# Altium PCB Copy of BOTTOM-COMPARATOR.PcbDoc (continued)
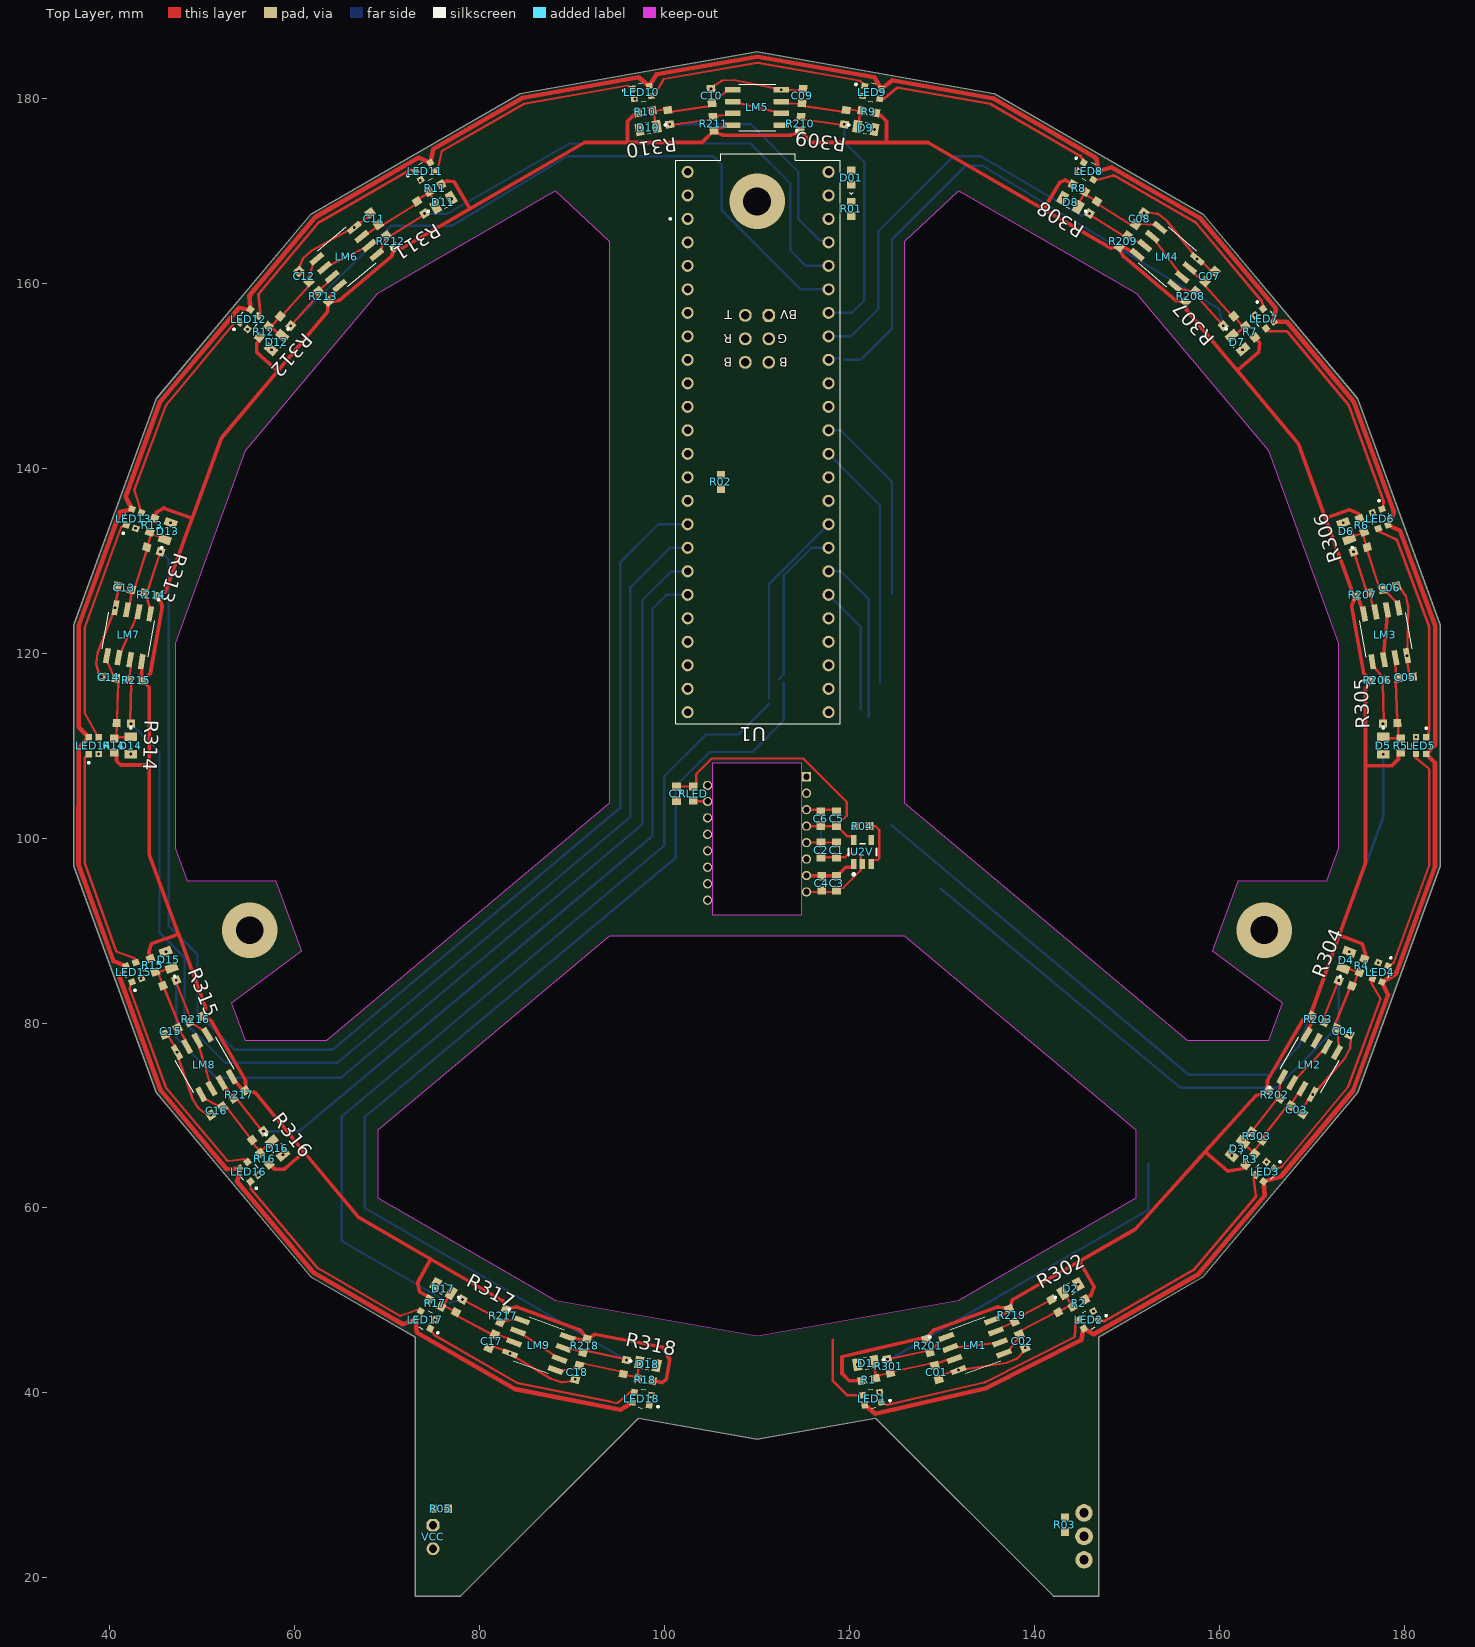
[diagram p0: Top Layer view]
## Nets (pads, with @x,y where several pads share a name; then routed paths per layer and width w, separated by ;. In a path a pad name is that pad's centre, name@x,y a point inside that pad or via, vN(x,y) a via of type N, cw(c..) or ccw(c..) an arc to the next point about the centre after c; other vN are vias at no path point) (continued)
+3V-BOT: D01.A J1.1 U1.VIN
+3VB: J1.3 J1.4 LED1.4 LED2.4 LED3.4 LED4.4 LED5.4 LED6.4 LED7.4 LED8.4 LED9.4 LED10.4 LED11.4 LED12.4 LED13.4 LED14.4 LED15.4 LED16.4 LED17.4 LED18.4 R05.1 | length 455.8
  Top Layer w0.5: 36.651,109.7 37.647,110.814 LED14.4 ; 36.651,109.71 36.643,97.188 36.643,97.187 ccw(c37.143,97.188) 36.674,97.017 40.421,86.726 ; 36.652,112 37.647,111.014 LED14.4 ; 36.652,112.01 36.659,122.89 cw(c37.159,122.889) 36.689,123.06 41.139,135.286 42.286,135.509 LED13.4 42.353,135.697 41.735,136.924 ; LED14.4@37.647,110.9 LED14.4 ; 40.427,86.71 41.666,86.209 LED15.4 41.734,86.021 41.083,84.909 45.492,72.802 ; 41.735,136.925 45.436,147.093 cw(c45.906,146.922) 45.523,147.243 53.986,157.312 55.093,157.13 LED12.4 55.221,157.284 55.131,158.674 62.183,167.063 cw(c62.565,166.741) 62.316,167.174 73.427,173.571 74.531,173.064 LED11.4 74.704,173.164 75.01,174.483 84.539,179.968 cw(c84.788,179.535) 84.7,180.027 ; 45.493,72.801 ccw(c45.962,72.973) 45.58,72.65 52.675,64.194 ; 52.683,64.185 53.924,64.27 LED16.4 54.053,64.117 53.782,62.876 61.984,53.101 ; 61.984,53.101 ccw(c62.367,53.422) 62.116,52.99 71.715,47.435 ; 71.719,47.432 72.946,47.849 LED17.4 73.119,47.749 73.233,46.556 83.814,40.433 ; 83.818,40.431 95.214,38.17 96.437,38.925 LED18.4 ; 84.701,180.027 97.212,182.233 98.239,181.392 LED10.4 98.436,181.427 99.123,182.57 110.061,184.472 122.708,182.245 123.366,181.109 LED9.4 123.563,181.075 124.602,181.911 135.476,179.996 146.489,173.631 cw(c146.238,173.198) 146.733,173.27 146.88,172.252 LED8.4 148.37,172.51 157.889,167.051 165.972,157.418 cw(c165.589,157.096) 166.081,157.005 166.08,157.004 165.883,155.958 LED7.4 166.011,155.805 167.072,155.82 cw(c167.079,155.32) 167.462,155.642 167.581,155.5 174.534,147.173 178.819,135.402 cw(c178.349,135.232) 178.793,135.003 178.265,133.978 LED6.4 179.514,133.237 183.336,122.932 183.336,110.071 LED5.4 183.3,108.135 183.3,96.91 179.138,85.475 cw(c178.668,85.646) 178.925,85.217 177.707,84.489 LED4.4 178.226,83.034 174.439,72.672 166.77,63.533 cw(c166.387,63.855) 166.536,63.377 166.535,63.377 164.901,62.87 LED3.4 164.888,61.335 157.703,52.837 146.415,46.347 145.468,46.936 LED2.4 145.294,46.836 145.042,45.715 134.787,40.525 122.788,37.764 121.761,38.608 LED1.4
+V-REF-1: LM1.2 LM1.6 U1.0 | length 6.1
  Top Layer w0.254: LM1.2 131.631,44.946 135.55,45.389 LM1.6 LM1.6@136.88,45.874
+V-REF-2: LM2.2 LM2.6 U1.1 | length 5.4
  Top Layer w0.254: LM2.2 168.386,74.07 171.103,76.929 LM2.6
+V-REF-3: LM3.2 LM3.6 U1.2 | length 5.4
  Top Layer w0.4: LM3.2 177.762,119.921 178.125,124.026 LM3.6
+V-REF-4: LM4.2 LM4.6 U1.3 | length 5.4
  Top Layer w0.254: LM4.6 153.179,164.432 155.523,161.26 LM4.2
+V-REF-5: LM5.2 LM5.6 U1.4 | length 5.4
  Top Layer w0.254: LM5.6 108.089,179.452 111.923,178.528 LM5.2
+V-REF-6: LM6.2 LM6.6 U1.5 | length 5.4
  Top Layer w0.254: LM6.6 63.893,161.976 67.424,163.732 LM6.2
+V-REF-7: LM7.2 LM7.6 U1.6 | length 5.4
  Top Layer w0.254: LM7.6 41.271,120.178 42.846,123.794 LM7.2
+V-REF-8: LM8.2 LM8.6 | length 6.9
  Top Layer w0.254: LM8.2@48.983,78.627 LM8.2 49.691,77.401 50.808,73.619 LM8.6 LM8.6@51.516,72.393
+V-REF-9: LM9.2 LM9.6 | length 6.1
  Top Layer w0.254: LM9.2 84.755,46.262 88.041,44.082 LM9.6 LM9.6@89.289,43.369
CS: M1.CS U1.10
EN-2V: R04.1
EN-LSR: R05.2 VCC.VCC
GND: C1.1 C01.1 C2.1 C02.2 C3.1 C03.1 C4.1 C04.1 C05.1 C5.2 C06.2 C6.2 C07.1 C7.2 C08.2 C09.1 C10.2 C11.1 C12.2 C13.1 C14.2 C15.1 C16.2 C17.1 C18.2 D1.A D2.A D3.A D4.A D5.A D6.A D7.A D8.A D9.A D10.A D11.A D12.A D13.A D14.A D15.A D16.A D17.A D18.A J1.2 LED1.2 LED2.2 LED3.2 LED4.2 LED5.2 LED6.2 LED7.2 LED8.2 LED9.2 LED10.2 LED11.2 LED12.2 LED13.2 LED14.2 LED15.2 LED16.2 LED17.2 LED18.2 LM1.4 LM2.4 LM3.4 LM4.4 LM5.4 LM6.4 LM7.4 LM8.4 LM9.4 M1.GND M1.GNDIO Q1.OUT R01.2 U1.GND U1.GND1 U1.GND3 U2V.2 VCC.GND | length 203.8
  Top Layer w0.254: v1(39.115,117.45) 38.83,117.83 38.555,118.738 cw(c38.798,118.812) 38.546,118.844 38.697,119.99 cw(c38.949,119.957) 38.712,120.049 40.345,124.235 v1(40.6,124.9) 40.601,124.906 40.679,125.614 40.987,126.849 C13.1 ; C15.1 46.381,78.585 47.013,77.49 v1(47.287,76.831) 47.491,76.131 48.931,71.875 ccw(c49.171,71.956) 48.957,71.821 49.581,70.841 ccw(c49.795,70.977) 49.645,70.772 50.469,70.17 v1(50.931,70.063) ; v1(60.489,161.271) 60.515,161.745 60.886,162.617 cw(c61.12,162.518) 60.948,162.705 61.8,163.486 ; 61.8,163.486 cw(c61.972,163.298) 61.85,163.521 65.791,165.678 v1(66.445,166) 66.986,166.457 68.01,167.201 C11.1 ; C17.1 81.186,44.947 81.459,45.041 82.646,44.609 v1(83.28,44.28) 83.886,43.875 87.724,41.54 ; 87.725,41.54 ccw(c87.856,41.757) 87.78,41.515 88.882,41.167 ccw(c88.958,41.41) 88.989,41.157 89.931,41.271 v1(90.354,41.486) ; v1(105.035,181.002) 105.36,181.348 106.187,181.866 cw(c106.322,181.651) 106.31,181.905 107.456,181.955 cw(c107.468,181.701) 107.517,181.95 111.923,181.068 v1(112.631,180.895) 113.339,180.897 114.603,180.808 C09.1 ; M1.GNDIO 118.445,94.17 C3.1 118.9,94.625 119.325,94.625 121.227,96.527 121.227,97.027 U2V.2 121.227,97.373 121.227,98.073 121,98.3 119.9,98.3 119.525,97.925 C1.1 C2.1 ; M1.GND C5.2@118.405,103.07 ; C01.1 129.892,41.892 131.078,42.325 v1(131.775,42.48) 132.5,42.56 136.93,43.236 138.066,43.697 ; 138.067,43.697 ccw(c137.971,43.932) 138.156,43.759 138.804,44.45 v1(138.99,44.887) ; v1(151.836,167.582) 152.307,167.639 153.274,167.504 cw(c153.238,167.252) 153.392,167.454 ; 153.393,167.454 154.303,166.755 cw(c154.149,166.554) 154.346,166.714 ; 154.347,166.713 157.155,163.206 v1(157.586,162.618) 158.183,162.227 159.098,161.343 C07.1 ; LED7.2@163.701,156.344 v1(163.852,156.512) ; C03.1 168.973,70.642 169.603,71.733 v1(170.082,72.274) 170.586,72.8 173.552,76.175 ccw(c173.361,76.343) 173.586,76.225 174.12,77.25 ccw(c173.895,77.367) 174.148,77.354 174.199,78.301 v1(174.062,78.755) ; LED6.2@176.344,135.101 v1(176.547,135.196) ; v1(179.158,127.243) 179.555,126.983 180.125,126.225 cw(c179.922,126.072) 180.17,126.128 ; 180.17,126.127 180.42,125 cw(c180.172,124.945) 180.426,124.939 ; 180.426,124.939 180.323,120.446 v1(180.275,119.719) 180.308,119.006 180.527,117.763 C05.1 ; LED5.2@181.027,110.896 v1(181.25,110.915)
  Bottom Layer w0.254: 116.9,102.875 116.912,102.862 116.912,97.938 116.925,97.925 ; 124.525,101.411 156.716,74.4 165.5,74.4 168.591,77.491 177.7,102.249 v1(177.7,109.05)
  other v1: 98.546,39.772 123.256,40.09 99.145,42.967 120.838,43.066 81.1,45.2 75.217,47.926 146.369,48.839 75.277,51.757 144.723,51.757 56.085,63.566 165.091,64.967 161.328,65.69 58.75,65.756 43.4,84.8 177.174,86.525 46.1,87.7 174.037,87.703 38.8,109.1 42.3,109.1 42.8,133.5 173.388,134.082 46.6,134.1 57.5,152.8 162.5,152.8 54.9,155 77,169.1 143.1,169.2 73.6,171.1 144.8,172.1 97.3,176.5 122.7,176.6 96.8,179.9 121.4,180.2
LSR: Q1.GND R03.2
MISO: M1.MISO R02.1 U1.12
MOSI: M1.MOSI U1.11
MTN: M1.MTN U1.9
NetC01_2: C01.2 D1.K LM1.3 R1.1 R301.1 | length 11.2
  Top Layer w0.254: D1.K@123.039,43.413 D1.K 122.664,42.825 122.823,41.914 R1.1 123.099,41.894 124.101,42.107 R301.1 124.715,42.323 128.795,43.191 C01.2 129.515,43.207 130.616,43.594 LM1.3
NetC1_2: C1.2 C2.2 M1.REG | length 3.3
  Top Layer w0.254: M1.REG 118.565,99.51 C1.2
NetC02_1: C02.1 D2.K LM1.5 R2.1 R302.1 | length 11.9
  Top Layer w0.254: LM1.5 137.315,44.68 138.173,45.866 C02.1 138.546,46.74 142.229,48.698 R302.1 142.842,48.922 143.747,49.403 R2.1 ; D2.K@142.79,50.651 D2.K 143.479,50.403 143.939,49.602 R2.1 ; R2.1@144.186,48.999 R2.1
NetC03_2: C03.2 D3.K LM2.3 R3.1 R303.1 | length 11.2
  Top Layer w0.254: D3.K@162.72,67.431 D3.K 162.878,66.681 163.587,66.088 R3.1 163.816,66.243 164.447,67.051 R303.1 164.696,67.676 167.259,70.958 C03.2 167.857,71.395 168.478,72.382 LM2.3
NetC04_2: C04.2 D4.K LM2.5 R4.1 R304.1 | length 11.5
  Top Layer w0.254: LM2.5 172.911,77.52 172.806,78.98 C04.2 172.531,79.889 174.093,83.756 R304.1 174.571,84.26 174.925,85.228 R4.1 174.822,85.548 173.954,85.866 D4.K D4.K@173.226,85.628
NetC05_2: C05.2 D5.K LM3.3 R5.1 R305.1 | length 10.7
  Top Layer w0.254: D5.K 178.253,110.805 179.277,110.805 179.438,110.79 179.331,111.073 179.331,112.098 R305.1 179.204,112.74 179.058,116.908 C05.2 179.131,117.616 179.009,118.777 LM3.3
NetC06_1: C06.1 D6.K LM3.5 R6.1 R306.1 | length 11.5
  Top Layer w0.254: D6.K@174.113,131.975 D6.K 174.505,132.621 175.374,132.936 R6.1 175.536,132.712 175.853,131.737 R306.1 175.967,131.094 177.256,127.128 C06.1 178.051,126.608 179.071,125.556 LM3.5
NetC07_2: C07.2 D7.K LM4.3 R7.1 R307.1 | length 10.6
  Top Layer w0.254: LM4.3 157.222,161.082 158.062,160.27 C07.2 158.461,159.682 161.252,156.582 R307.1 161.775,156.184 162.432,155.397 162.686,155.241 162.552,155.149 161.843,154.556 D7.K
NetC08_1: C08.1 D8.K LM4.5 R8.1 R308.1 | length 11.3
  Top Layer w0.254: D8.K 144.878,168.793 145.338,169.595 R8.1 145.602,169.516 146.47,168.974 R308.1 146.922,168.479 150.453,166.271 C08.1 151.396,166.385 152.911,166.315 LM4.5
NetC09_2: C09.2 D9.K LM5.3 R9.1 R309.1 | length 10.8
  Top Layer w0.254: LM5.3 113.339,179.452 114.502,179.37 C09.2 115.181,179.109 119.305,178.529 R309.1 119.994,178.789 121.008,178.611 R9.1 121.147,178.38 120.987,177.47 D9.K
NetC10_1: C10.1 D10.K LM5.5 R10.1 R310.1 | length 11.3
  Top Layer w0.254: D10.K 99.013,177.47 98.853,178.38 R10.1 98.992,178.61 100.006,178.789 R310.1 100.695,178.53 104.819,179.109 C10.1 105.468,179.802 106.673,180.722 LM5.5
NetC11_2: C11.2 D11.K LM6.3 R11.1 R311.1 | length 11
  Top Layer w0.254: LM6.3 67.915,165.35 68.857,166.035 C11.2 69.546,166.271 73.077,168.479 R311.1 73.439,169.119 74.331,169.635 R11.1 74.671,169.597 75.133,168.797 D11.K@75.4,168.1
NetC12_1: C12.1 D12.K LM6.5 R12.1 R312.1 | length 11.2
  Top Layer w0.254: D12.K@58.7,154.3 58.22,154.62 57.515,155.22 R12.1 57.559,155.403 58.245,156.165 R312.1 58.748,156.582 61.54,159.682 C12.1 61.592,160.63 61.992,162.038 LM6.5
NetC13_2: C13.2 D13.K LM7.3 R13.1 R313.1 | length 10.8
  Top Layer w0.254: LM7.3 42.182,125.349 42.398,126.497 C13.2 42.744,127.128 44.033,131.094 R313.1 44.143,131.738 44.46,132.714 R13.1 44.597,132.85 45.47,132.539 D13.K
NetC14_1: C14.1 D14.K LM7.5 R14.1 R314.1 | length 11.2
  Top Layer w0.254: LM7.5 39.774,119.004 40.372,117.668 C14.1 40.942,116.908 40.796,112.74 R314.1 40.786,112.094 40.751,111.073 R14.1 40.823,110.896 41.747,110.896 D14.K
NetC15_2: C15.2 D15.K LM8.3 R15.1 R315.1 | length 10.8
  Top Layer w0.254: D15.K 46.169,85.814 45.301,85.498 R15.1 45.294,85.307 45.677,84.36 R315.1 45.907,83.756 47.469,79.89 C15.2 47.61,79.184 48.183,78.165 LM8.3
NetC16_1: C16.1 D16.K LM8.5 R16.1 R316.1 | length 11.9
  Top Layer w0.254: LM8.5@50.326,71.706 LM8.5 50.416,71.758 51.753,71.038 C16.1 52.678,70.824 55.201,67.594 R316.1 55.504,67.011 56.164,66.227 R16.1 56.431,66.219 57.138,66.814 D16.K
NetC17_2: C17.2 D17.K LM9.3 R17.1 R317.1 | length 12.5
  Top Layer w0.254: D17.K@76.521,50.403 D17.K ; D17.K@76.932,50.167 D17.K ; R317.1@77.297,49.158 R317.1 ; LM9.3 83.108,45.878 82.015,46.29 C17.2 81.29,46.372 80.995,46.503 cw(c81.098,46.736) 80.979,46.511 80.978,46.512 77.588,48.329 R317.1 ; D17.K 76.6,50.358 76.14,49.557 R17.1 76.255,49.407 77.17,48.92 R317.1
NetC18_1: C18.1 D18.K LM9.5 R18.1 R318.1 | length 11.1
  Top Layer w0.254: LM9.5 88.938,42.405 90.358,42.761 C18.1 91.205,43.191 95.285,42.323 R318.1 95.86,41.923 96.875,41.742 R18.1 97.089,41.932 97.231,42.742 D18.K
NetD01_C: D01.C R01.1
NetLED1_1: LED1.1 LED2.3 | length 24.5
  Top Layer w0.254: LED1.1 123.706,38.826 124.034,38.731 ; 124.035,38.731 ccw(c124.104,38.975) 124.161,38.728 134.555,41.123 ; 134.555,41.123 ccw(c134.498,41.371) 134.612,41.144 144.341,46.07 144.455,47.776 144.473,47.786 144.548,47.889 LED2.3
NetLED1_3: LED1.3 | length 8.4
  Top Layer w0.254: 118.2,45.789 118.2,41.3 119.728,39.772 LED1.3
NetLED2_1: LED2.1 LED3.3 | length 24.6
  Top Layer w0.3: LED2.1 147.19,47.812 147.463,47.776 ; 147.464,47.775 ccw(c147.503,48.073) 147.653,47.813 157.23,53.319 ccw(c157.08,53.579) 157.309,53.385 163.866,61.14 ccw(c163.637,61.334) 163.935,61.372 163.713,63.097 ; 163.713,63.098 cw(c164.011,63.135) 163.781,63.328 163.824,63.38 LED3.3
NetLED3_1: LED3.1 LED4.3 | length 25
  Top Layer w0.254: LED3.1 166.248,64.289 166.609,64.391 ccw(c166.539,64.636) 166.735,64.473 173.873,73.067 ccw(c173.677,73.229) 173.916,73.142 177.405,82.627 176.457,84.299 ; 176.457,84.3 cw(c176.678,84.424) 176.44,84.511 176.471,84.596 LED4.3 LED4.3@176.678,84.521
NetLED4_1: LED4.1 LED5.3 | length 24.6
  Top Layer w0.254: LED4.1 178.493,86.281 178.778,86.473 ccw(c178.636,86.684) 178.875,86.597 182.651,96.972 ccw(c182.412,97.059) 182.666,97.059 182.669,107.379 ccw(c182.415,107.38) 182.576,107.576 181.309,108.611 ; LED5.3 181.216,108.862 181.216,108.807 ccw(c181.47,108.807) 181.309,108.611
NetLED5_1: LED5.1 LED6.3 | length 24.5
  Top Layer w0.3: LED6.3 177.255,133.23 ccw(c177.539,133.328) 177.415,133.054 179.066,132.307 ; 179.067,132.307 cw(c178.943,132.034) 179.224,132.138 182.663,122.85 182.664,122.849 cw(c182.382,122.746) 182.682,122.746 182.682,111.7 182.55,111.115 LED5.1
NetLED6_1: LED6.1 LED7.3 | length 24.7
  Top Layer w0.3: LED7.3 165.114,154.954 165.126,154.932 165.147,154.907 ccw(c165.377,155.1) 165.377,154.8 167.161,154.8 cw(c167.161,154.5) 167.391,154.693 173.915,146.895 ; 173.916,146.894 cw(c173.685,146.702) 173.967,146.805 177.716,136.52 ; LED6.1 177.701,135.827 177.734,136.401 ccw(c177.434,136.418) 177.716,136.519
NetLED7_1: LED7.1 LED8.3 | length 24.5
  Top Layer w0.3: LED8.3 146.472,171.059 148.446,171.609 ; 148.447,171.609 cw(c148.527,171.32) 148.676,171.58 157.377,166.591 ; 157.378,166.59 cw(c157.228,166.331) 157.457,166.524 164.513,158.138 ; 164.514,158.138 cw(c164.284,157.945) 164.573,158.026 164.719,157.501 LED7.1
NetLED8_1: LED8.1 LED9.3 | length 24.8
  Top Layer w0.3: LED9.3 123.461,179.921 123.541,179.907 ccw(c123.593,180.203) 123.787,179.974 125.066,181.056 cw(c125.259,180.827) 125.31,181.122 135.197,179.381 cw(c135.145,179.086) 135.294,179.346 ; 135.295,179.345 144.908,173.789 cw(c144.758,173.53) 145.012,173.689 ; 145.012,173.689 145.256,173.299 LED8.1 LED8.1@145.154,173.122
NetLED9_1: LED9.1 LED10.3 | length 25
  Top Layer w0.254: LED10.3@98.727,180.486 LED10.3 98.788,180.277 ccw(c98.737,180.526) 98.957,180.399 99.917,182.067 110.07,183.829 121.028,181.9 cw(c120.984,181.649) 121.15,181.842 121.464,181.569 LED9.1
NetLED10_1: LED10.1 LED11.3 | length 25
  Top Layer w0.254: LED11.3@75.299,172.38 LED11.3 75.427,172.242 ccw(c75.269,172.441) 75.518,172.389 75.891,174.164 cw(c76.139,174.111) 76.013,174.332 84.826,179.393 96.02,181.367 LED10.1
NetLED11_1: LED11.1 LED12.3 | length 24.9
  Top Layer w0.3: LED12.3@56.055,156.724 LED12.3 56.218,156.603 ccw(c55.989,156.797) 56.288,156.826 56.095,158.804 62.589,166.53 cw(c62.819,166.337) 62.682,166.604 62.967,166.749 72.519,172.264 LED11.1
NetLED12_1: LED12.1 LED13.3 | length 24.5
  Top Layer w0.254: LED13.3 43.315,135.485 43.234,135.862 ccw(c42.861,135.781) 43.223,135.899 42.666,137.61 46.116,146.808 53.451,155.675 LED12.1
NetLED13_1: LED13.1 LED14.3 | length 24.4
  Top Layer w0.254: LED14.3 38.624,111.137 37.3,113.545 37.3,122.678 41.248,133.586 LED13.1
NetLED14_1: LED14.1 LED15.3 | length 24.7
  Top Layer w0.254: LED14.1 37.3,108.637 37.3,97.385 37.315,97.3 40.722,87.744 42.578,87.046 ; 42.579,87.046 cw(c42.489,86.808) 42.727,86.895 42.782,86.746 LED15.3
NetLED15_1: LED15.1 LED16.3 | length 24.8
  Top Layer w0.254: 42.202,83.805 ccw(c42.449,83.744) 42.211,83.656 46.062,73.081 ccw(c46.301,73.168) 46.106,73.004 52.683,65.167 ; 42.203,83.806 42.287,84.143 LED15.1 ; 52.683,65.167 ccw(c52.877,65.33) 52.91,65.079 54.469,65.283 cw(c54.502,65.031) 54.697,65.195 54.752,65.128 LED16.3
NetLED16_1: LED16.1 LED17.3 | length 24.7
  Top Layer w0.254: 55.23,62.213 ccw(c55.483,62.225) 55.289,62.061 62.424,53.558 ; 55.229,62.214 55.216,62.544 LED16.1 ; 62.424,53.558 ccw(c62.618,53.722) 62.49,53.502 71.418,48.336 ; 71.42,48.334 73.2,48.965 cw(c73.285,48.725) LED17.3@73.395,48.954 ; LED17.3@73.396,48.954 LED17.3
NetLED17_1: LED17.1 LED18.3 | length 24.8
  Top Layer w0.254: LED17.1 75.07,46.296 84.203,41.039 93.942,39.092 94.779,38.924 ccw(c94.829,39.173) 94.994,38.98 96.226,40.037 cw(c96.391,39.844) 96.435,40.094 96.516,40.08 LED18.3 LED18.3@96.486,39.909
NetLM1_1: LM1.1 R201.1 R301.2 U1.40 | length 62.2
  Top Layer w0.254: v1(124.102,43.657) 124.421,43.708 128.312,44.535 R201.1 128.934,44.712 129.866,45.656 LM1.1
  Bottom Layer w0.254: 112.4,117.2 112.9,117.7 112.9,128.362 115.918,131.38 U1.40@117.74,131.38 ; v1(124.102,43.657) 124.546,43.758 152.173,59.743 152.3,59.869 152.3,64.801
NetLM1_7: LM1.7 R219.2 R302.2 U1.41 | length 28.5
  Top Layer w0.254: LM1.7 136.446,47.067 137.572,47.571 R219.2 138.052,48.08 141.565,49.948 R302.2
  Bottom Layer w0.254: 111.3,115.1 111.3,127.48 U1.41@117.74,133.92
NetLM2_1: LM2.1 R202.1 R303.2 U1.14 | length 34.6
  Top Layer w0.254: v1(163.447,68.243) 163.653,68.492 166.175,71.72 R202.1@166.406,71.775 ; R202.1@166.435,71.574 R202.1@166.406,71.775 ; R202.1 R202.1@166.406,71.775 ; LM2.1 166.578,73.479 166.371,72.009 R202.1@166.406,71.775
  Bottom Layer w0.254: U1.14@117.74,141.54 123.3,135.98 123.3,116.8
NetLM2_7: LM2.7 R203.2 R304.2 U1.15 | length 84.6
  Top Layer w0.254: R203.2 171.239,80.491 172.774,84.289 v1(172.886,84.592)
  Bottom Layer w0.254: U1.15@117.74,144.08 119.049,144.08 124.6,138.529 124.6,126.4 ; 129.834,94.538 155.78,73 166.2,73 172.886,79.686 v1(172.886,84.592)
NetLM3_1: LM3.1 R206.1 R305.2 U1.16 | length 7.3
  Top Layer w0.254: LM3.1 176.817,118.39 177.571,117.426 R206.1 177.638,116.784 177.781,112.69 v1(177.684,112.364)
NetLM3_7: LM3.7 R207.2 R306.2 U1.17 | length 7
  Top Layer w0.254: v1(174.505,130.959) 174.614,130.655 175.88,126.759 R207.2 176.299,126.197 176.569,125.115 LM3.7
NetLM4_1: LM4.1 R208.1 R307.2 U1.18 | length 69.4
  Top Layer w0.254: LM4.1 155.791,159.377 156.988,159.123 R208.1 157.453,158.674 160.194,155.63 v1(160.404,155.384)
  Bottom Layer w0.254: U1.18@117.74,151.7 117.915,151.875 U1.18@118.775,151.875 ; U1.18@119.45,151.7 121.2,151.7 124.6,155.1 124.6,164.7 132.6,172.7 134.37,172.7 159.961,157.19 v1(160.404,155.384)
NetLM4_7: LM4.7 R209.2 R308.2 U1.19 | length 50
  Top Layer w0.254: v1(145.942,167.519) 146.167,167.271 149.636,165.103 R209.2 150.377,165.024 151.278,164.369 LM4.7
  Bottom Layer w0.254: U1.19@117.74,154.24 120.14,154.24 123.1,157.2 123.1,165.6 131.2,173.7 134.227,173.7 145.043,167.289 v1(145.942,167.519)
NetLM5_1: LM5.1 R210.1 R309.2 U1.20 | length 31.6
  Top Layer w0.254: LM5.1 113.339,177.258 114.412,177.733 R210.1 115.056,177.688 119.107,177.119 v1(119.439,177.165)
  Bottom Layer w0.254: U1.20@117.74,156.78 120.38,156.78 120.38,156.91 121.6,158.13 121.6,173.1 119.439,175.261 v1(119.439,177.165)
NetLM5_7: LM5.7 R211.2 R310.2 U1.23 | length 32.5
  Top Layer w0.254: v1(100.561,177.165) 100.893,177.12 104.943,177.689 R211.2 105.562,178.104 106.673,178.182 LM5.7
  Bottom Layer w0.254: v1(100.561,177.165) 109.335,177.165 114.469,172.031 114.469,166.931 116.798,164.602 117.538,164.602 U1.23@117.74,164.4
NetLM6_1: LM6.1 R212.1 R311.2 U1.22 | length 62.6
  Top Layer w0.254: LM6.1 69.325,163.669 69.842,164.723 R212.1 70.364,165.103 73.832,167.27 v1(74.058,167.519)
  Bottom Layer w0.254: v1@74.081,167.5 76.412,167.5 76.479,167.5 76.538,167.533 89.775,175.1 109.3,175.1 113.6,170.8 113.6,163.549 115.289,161.86 U1.22@117.74,161.86
NetLM6_7: LM6.7 R213.2 R312.2 U1.21 | length 80.6
  Top Layer w0.254: v1(59.596,155.384) 59.806,155.63 62.547,158.674 R213.2 62.814,159.328 63.624,160.092 LM6.7
  Bottom Layer w0.254: v1(59.596,155.384) 70.412,166.2 77.015,166.2 89.447,173.7 105.3,173.7 106.2,172.8 106.2,167.844 114.724,159.32 116.05,159.32 U1.21@117.74,159.32
NetLM7_1: LM7.1 R214.1 R313.2 U1.24 | length 151.2
  Top Layer w0.254: LM7.1 44.343,124.968 43.964,126.132 R214.1 44.12,126.759 45.386,130.655 v1(45.495,130.959)
  Bottom Layer w0.254: v1(45.495,130.959) 45.541,130.959 46.4,130.1 ; 46.4,130.105 46.4,90.5 49.5,87.4 49.5,81.1 53.5,77.1 64.081,77.1 95.197,103.237 95.197,129.797 99.32,133.92 100.8,133.92 U1.24@102.5,133.92
NetLM7_7: LM7.7 R215.2 R314.2 U1.25 | length 134.2
  Top Layer w0.254: LM7.7 42.276,118.563 42.146,117.456 R215.2 42.362,116.784 42.219,112.69 v1(42.316,112.364)
  Bottom Layer w0.254: v1(42.316,112.364) 45.4,109.28 45.4,89.8 48.1,87.1 48.1,80.1 52.5,75.7 64.637,75.7 96.3,102.268 96.3,127.1 100.58,131.38 U1.25@102.5,131.38
NetLM8_1: LM8.1 R216.1 R315.2 U1.26 | length 106.1
  Top Layer w0.254: v1(47.206,84.63) 47.226,84.289 48.761,80.491 R216.1 49.044,79.91 50.083,79.262 LM8.1
  Bottom Layer w0.254: v1@47.2,84.63 47.2,78.4 51.5,74.1 65.047,74.1 97.6,101.469 97.6,125.7 100.74,128.84 U1.26@102.5,128.84
NetLM8_7: LM8.7 R217.2@53.397,71.821 R316.2 U1.27 | length 89.7
  Top Layer w0.254: LM8.7 52.616,73.028 53.227,72.096 53.397,71.821 53.825,71.72 56.348,68.491 v1(56.634,68.304)
  Bottom Layer w0.254: v1(56.634,68.304) 60.545,68.304 98.7,100.202 98.7,124.8 100.2,126.3 U1.27@102.5,126.3
NetLM9_1: LM9.1 R217.1@82.23,47.628 R317.2 U1.39 | length 121.6
  Top Layer w0.254: v1(78.17,50.112) 78.45,49.949 82.056,48.031 82.23,47.628 82.646,47.768 83.858,47.94 LM9.1
  Bottom Layer w0.254: v1(78.17,50.112) 76.698,49.718 65.1,56.414 65.1,69.905 99.977,99.19 99.977,106.677 104.5,111.2 108,111.2 111.348,114.548 ; U1.39@117.74,128.84 119.049,128.84 122.1,125.789 122.1,113.1
NetLM9_7: LM9.7 R218.2 R318.2 U1.38 | length 133.7
  Top Layer w0.254: LM9.7 89.806,44.791 90.878,44.484 R218.2 91.574,44.567 95.581,43.716 v1(95.878,43.559)
  Bottom Layer w0.254: v1(95.878,43.559) 67.6,59.984 67.6,69.852 101.197,97.844 101.197,105.597 104.9,109.3 109.5,109.3 112.9,112.7 112.9,116.8 ; U1.38@117.74,126.3 121.2,122.84 121.2,113.9
NetM1_LED: M1.LED RLED.1 | length 1.6
  Top Layer w0.254: RLED.1 103.165,103.96 M1.LED
NetR04_2: R04.2 U2V.3 | length 5.6
  Top Layer w0.254: R04.2 122.207,101.268 122.832,101.268 123.223,100.877 123.223,97.823 123.023,97.623 122.523,97.623 122.35,97.45 U2V.3
RST: M1.RST
RX-LINE: J1.5 U1.8
SCLK: M1.SCLK U1.13
TX-LINE: J1.6 U1.7
pads on no net: LED18.1 M1.NC U1.28 U1.29 U1.30 U1.31 U1.32 U1.33 U1.34 U1.35 U1.36 U1.37 U2V.4
copper on no net:
  other v2: 55.15,90.025 164.85,90.05 110,168.825

## Polygon pours and split planes (outlines as drawn)
GND on Top Layer "NONET_L01_P000" (solid, shelved, pour order 0): 214.9,7.099 214.9,222.699 0,222.699 0,7.299
GND on Bottom Layer "NONET_L02_P001" (solid, shelved, pour order 1): 13.4,218.3 13.4,218.9 214.1,218.9 214.1,0 0,0

## Silkscreen, mask and mechanical layers (free items; w line width, h text height)
Top Overlay:
  text "T" at 107.346,157.046 h1 r180
  text "BV" at 114.346,157.046 h1 r180
  text "R" at 107.346,154.446 h1 r180
  text "G" at 113.246,154.446 h1 r180
  text "B" at 107.346,151.946 h1 r180
  text "B" at 113.346,151.946 h1 r180
Bottom Overlay:
  text "T" at 106.654,157.046 h1 r180
  text "BV" at 112.654,157.046 h1 r180
  text "R" at 106.654,154.446 h1 r180
  text "G" at 112.554,154.446 h1 r180
  text "B" at 106.654,151.946 h1 r180
  text "B" at 112.654,151.946 h1 r180
Mechanical 1:
  circle w0.013: c55.152,90.037 r1.5
  circle w0.013: c164.848,90.037 r1.5
  circle w0.013: c110,168.812 r1.5
  circle w0.013: c55.152,90.037 r1.5
  circle w0.013: c164.848,90.037 r1.5
  circle w0.013: c110,168.812 r1.5
  lines w0.013: 47.139,98.916 48.442,95.337 ; 47.139,98.916 47.139,121.084 ; 47.139,98.916 48.442,95.337 ; 47.139,98.916 47.139,121.084 ; 47.139,121.084 54.721,141.915 ; 47.139,121.084 54.721,141.915 ; 48.442,95.337 58.02,95.337 ; 48.442,95.337 58.02,95.337 ; 53.23,82.182 54.721,78.085 ; 53.23,82.182 60.756,87.82 ; 53.23,82.182 54.721,78.085 ; 53.23,82.182 60.756,87.82 ; 54.721,78.085 63.409,78.085 ; 54.721,78.085 63.409,78.085 ; 54.721,141.915 68.971,158.897 ; 54.721,141.915 68.971,158.897 ; 58.02,95.337 60.756,87.82 ; 58.02,95.337 60.756,87.82 ; 63.409,78.085 94,103.754 ; 63.409,78.085 94,103.754 ; 68.971,61.103 88.169,50.019 ; 68.971,61.103 68.971,68.393 ; 68.971,61.103 88.169,50.019 ; 68.971,61.103 68.971,68.393 ; 68.971,68.393 94,89.395 ; 68.971,68.393 94,89.395 ; 68.971,158.897 88.169,169.981 ; 68.971,158.897 88.169,169.981 ; 88.169,50.019 110,46.17 ; 88.169,50.019 110,46.17 ; 88.169,169.981 94,164.504 ; 88.169,169.981 94,164.504 ; 94,89.395 126,89.395 ; 94,89.395 126,89.395 ; 94,103.754 94,164.504 ; 94,103.754 94,164.504 ; 110,46.17 131.831,50.019 ; 110,46.17 131.831,50.019 ; 126,89.395 151.029,68.393 ; 126,89.395 151.029,68.393 ; 126,103.754 156.591,78.085 ; 126,103.754 126,164.504 ; 126,103.754 156.591,78.085 ; 126,103.754 126,164.504 ; 126,164.504 131.831,169.981 ; 126,164.504 131.831,169.981 ; 131.831,50.019 151.029,61.103 ; 131.831,50.019 151.029,61.103 ; 131.831,169.981 151.029,158.897 ; 131.831,169.981 151.029,158.897 ; 151.029,61.103 151.029,68.393 ; 151.029,61.103 151.029,68.393 ; 151.029,158.897 165.279,141.915 ; 151.029,158.897 165.279,141.915 ; 156.591,78.085 165.279,78.085 ; 156.591,78.085 165.279,78.085 ; 159.244,87.82 161.98,95.337 ; 159.244,87.82 166.77,82.182 ; 159.244,87.82 161.98,95.337 ; 159.244,87.82 166.77,82.182 ; 161.98,95.337 171.558,95.337 ; 161.98,95.337 171.558,95.337 ; 165.279,78.085 166.77,82.182 ; 165.279,78.085 166.77,82.182 ; 165.279,141.915 172.861,121.084 ; 165.279,141.915 172.861,121.084 ; 171.558,95.337 172.861,98.916 ; 171.558,95.337 172.861,98.916 ; 172.861,98.916 172.861,121.084 ; 172.861,98.916 172.861,121.084 ; 36.139,96.976 36.139,123.024 45.048,147.5 61.791,167.453 84.348,180.477 110,185 135.652,180.477 158.209,167.453 174.952,147.5 183.861,123.024 183.861,96.976 174.952,72.5 158.209,52.547 146.93,46.035 146.93,18.035 142.052,18.035 122.826,37.262 110,35 97.174,37.262 77.948,18.035 73.07,18.035 73.07,46.035 61.791,52.547 45.048,72.5 36.139,96.976